# Altium PCB PowerManagment_V2.PcbDoc
Units mil, origin at the board's own origin, x right, y up, seen from the top; angles counter-clockwise.
Board outline 4764.86 x 3503.34 mil, 2 copper layers (Top Layer, Bottom Layer); 71 components, 60 nets, 282 pads, 63 vias.
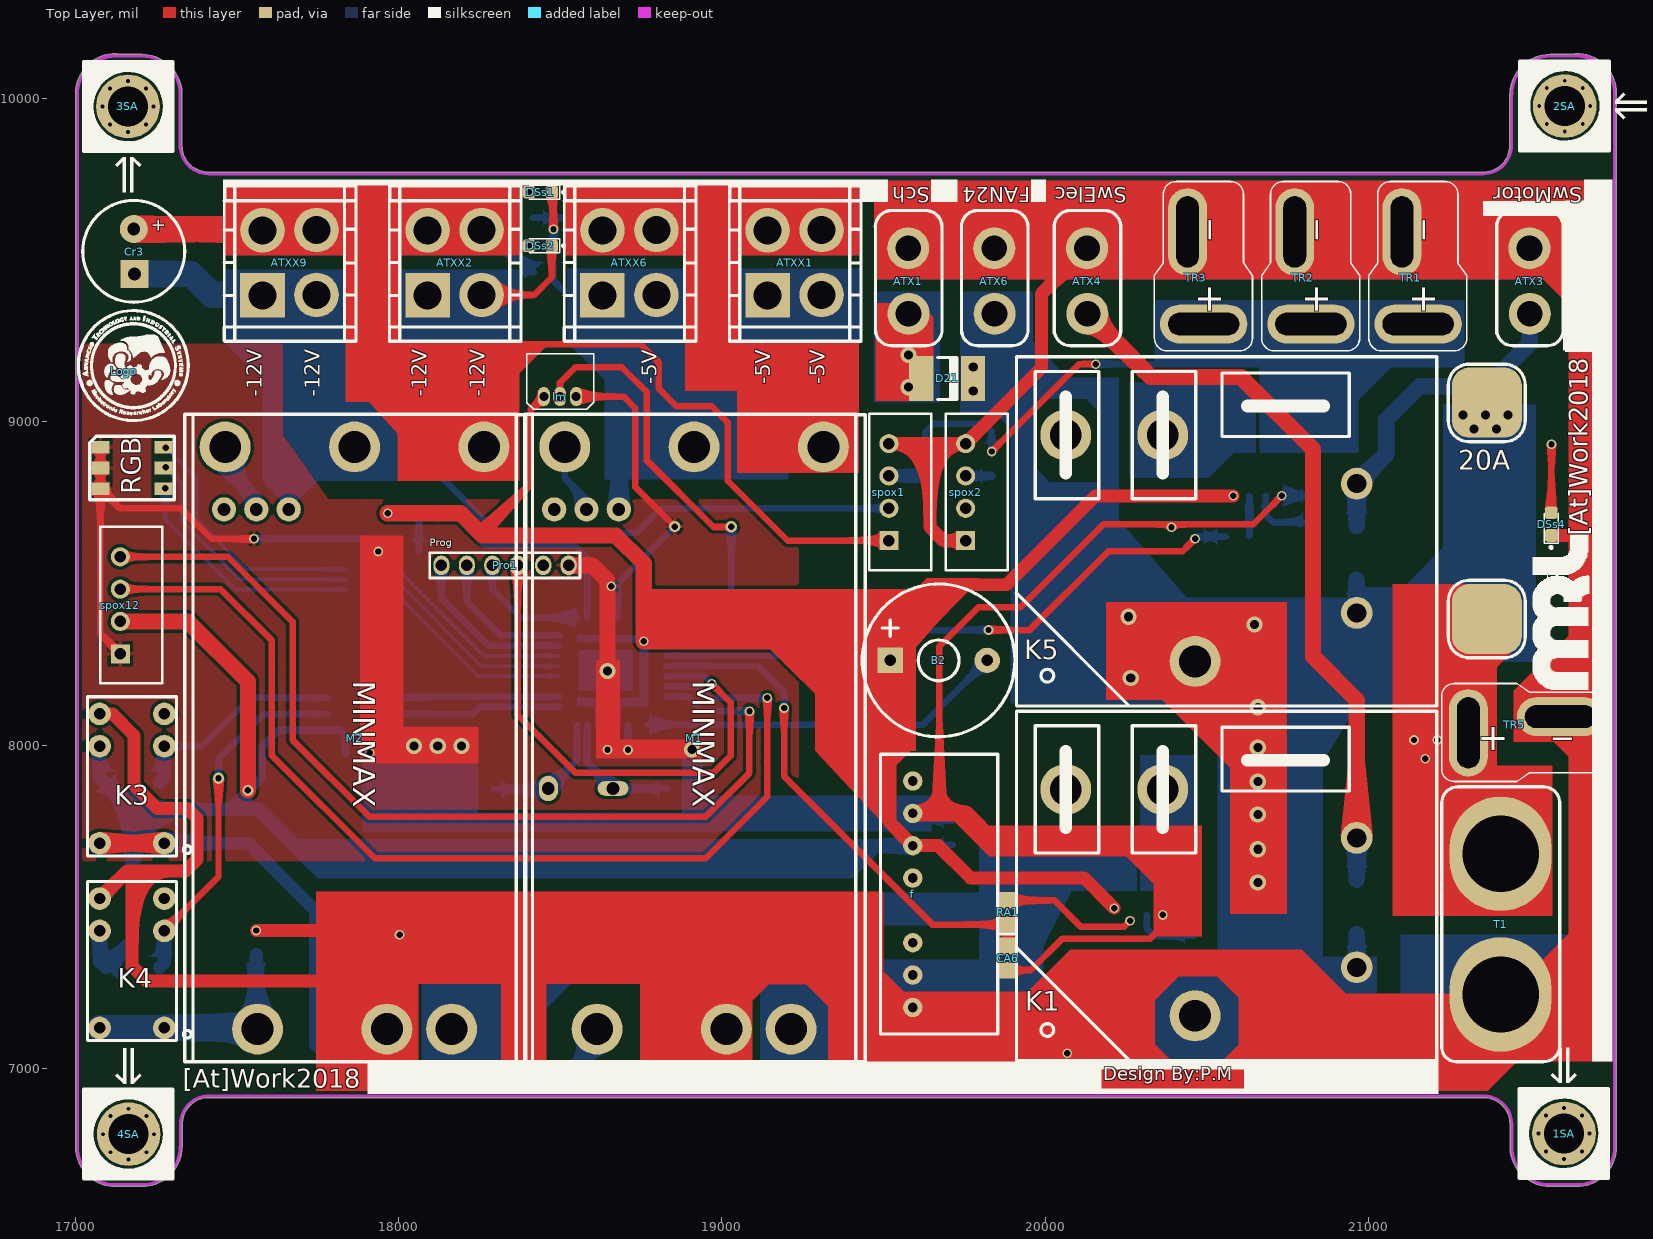
[diagram p0: Top Layer view]
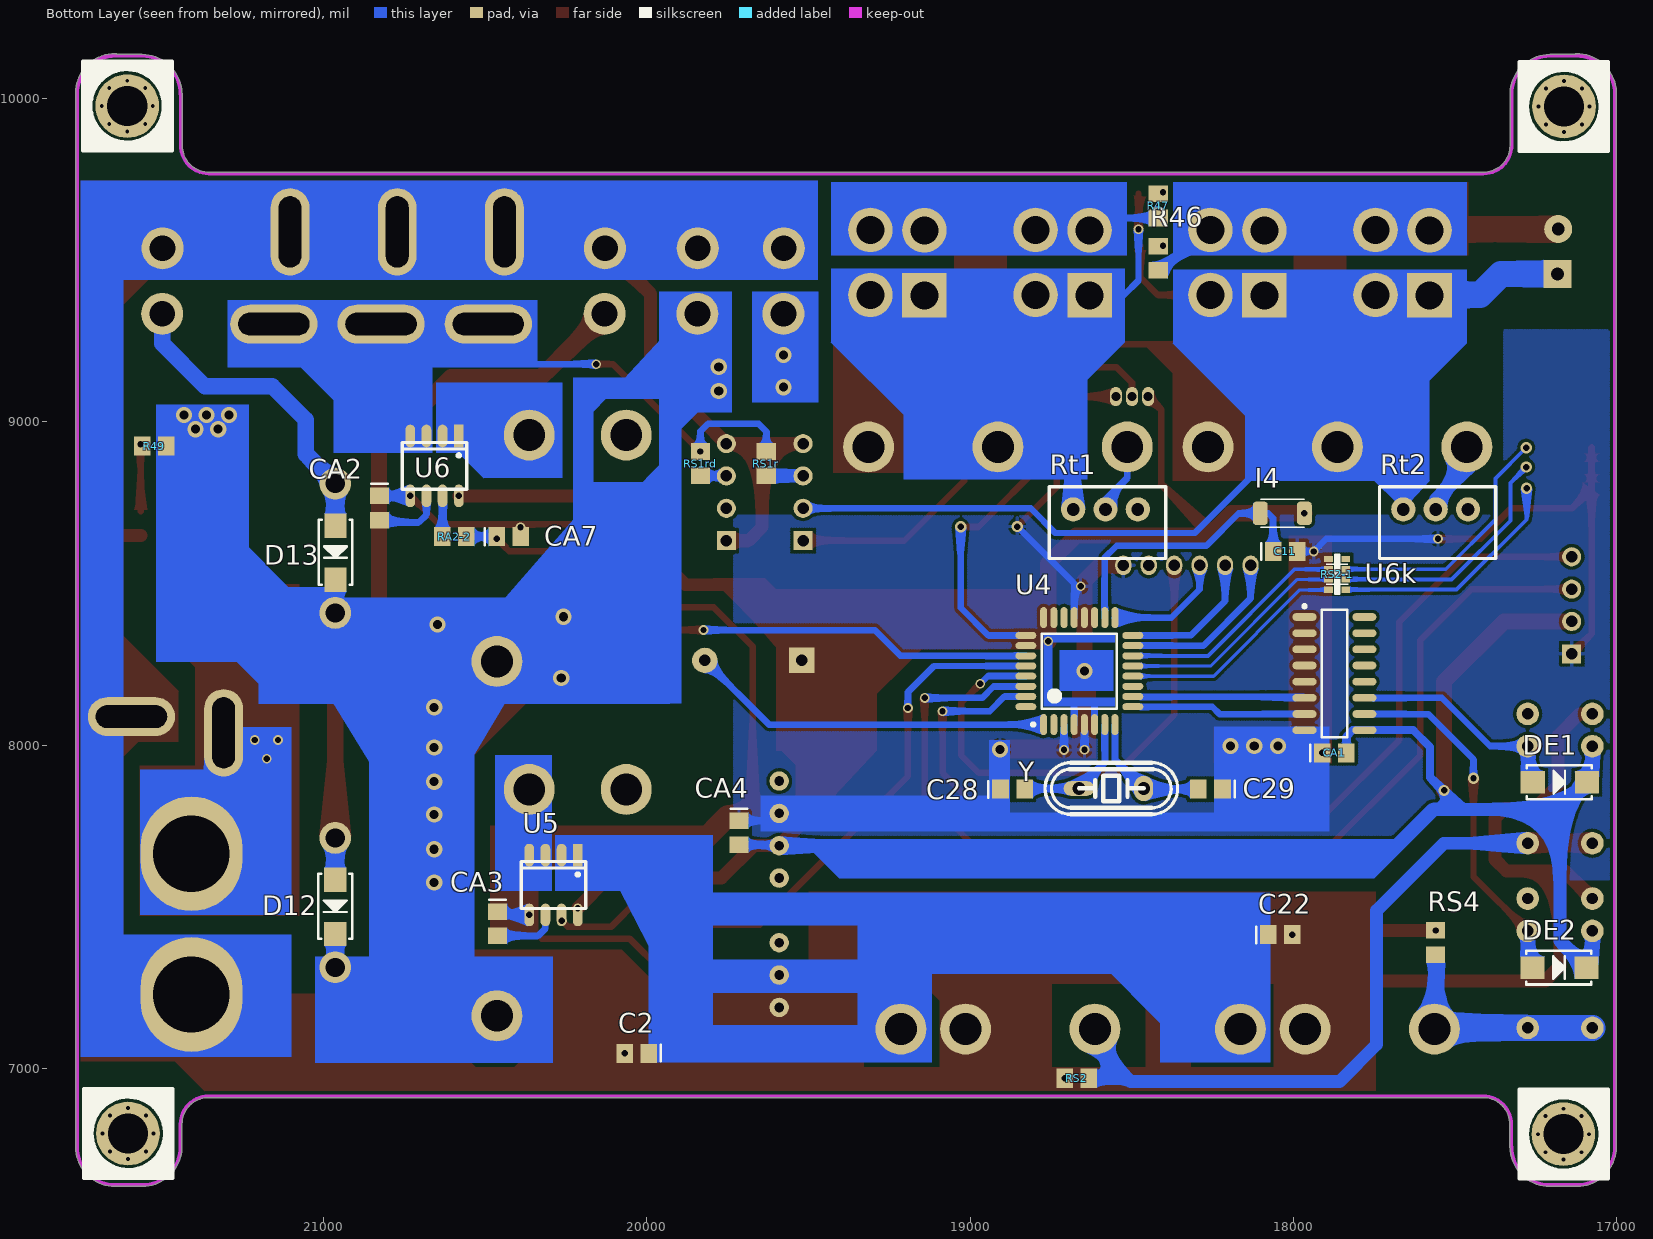
[diagram p1: Bottom Layer view, seen from below]
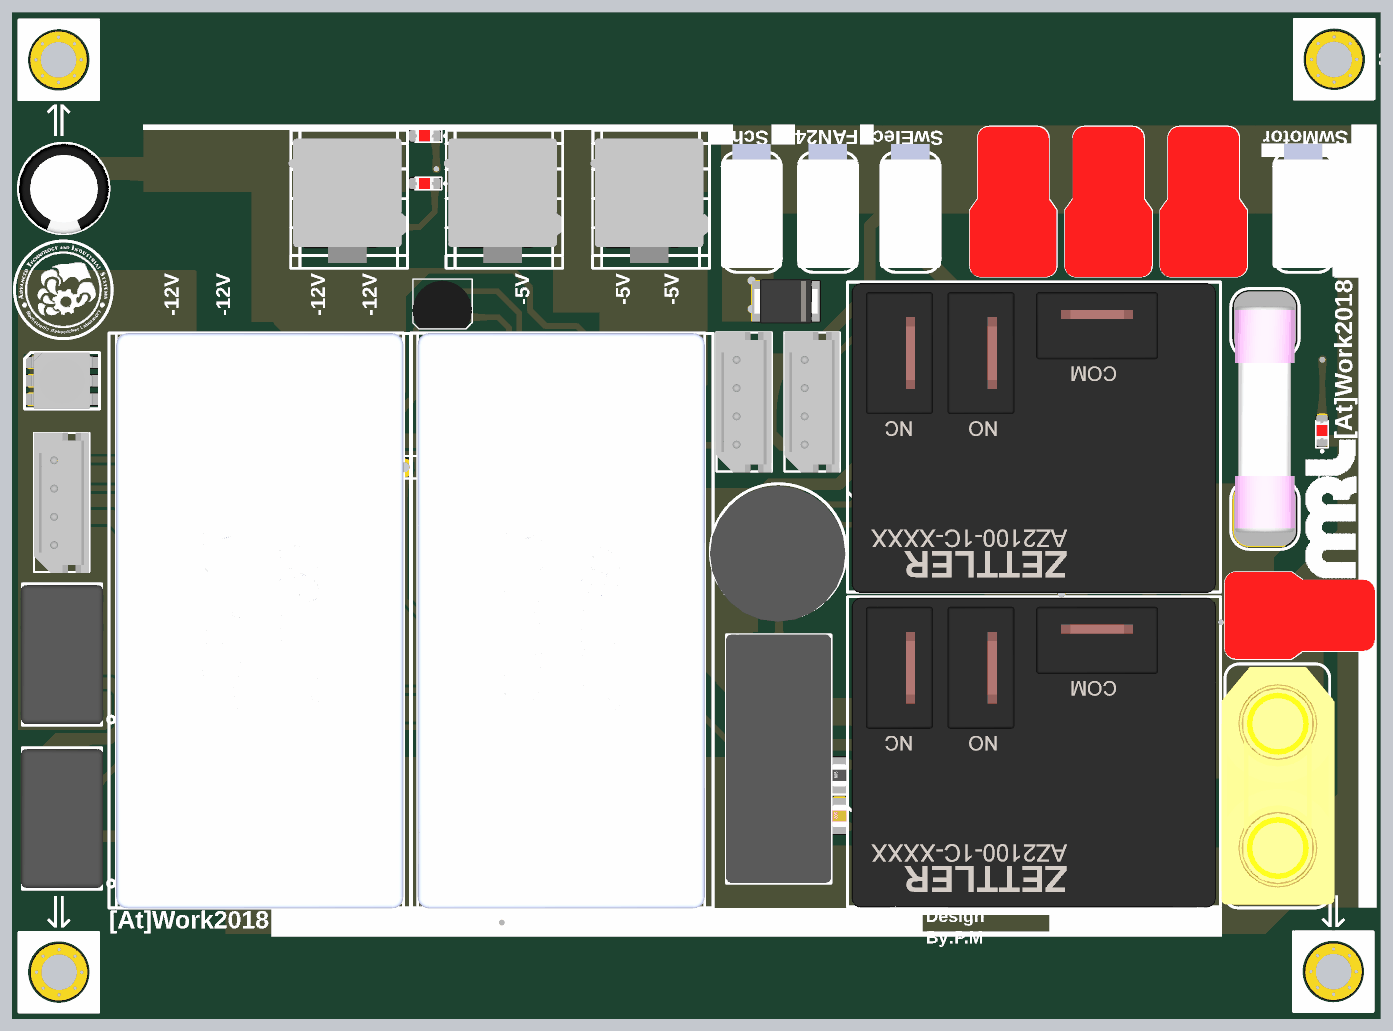
[diagram p2: 3D render of the assembled board from above, using the file's embedded part models]
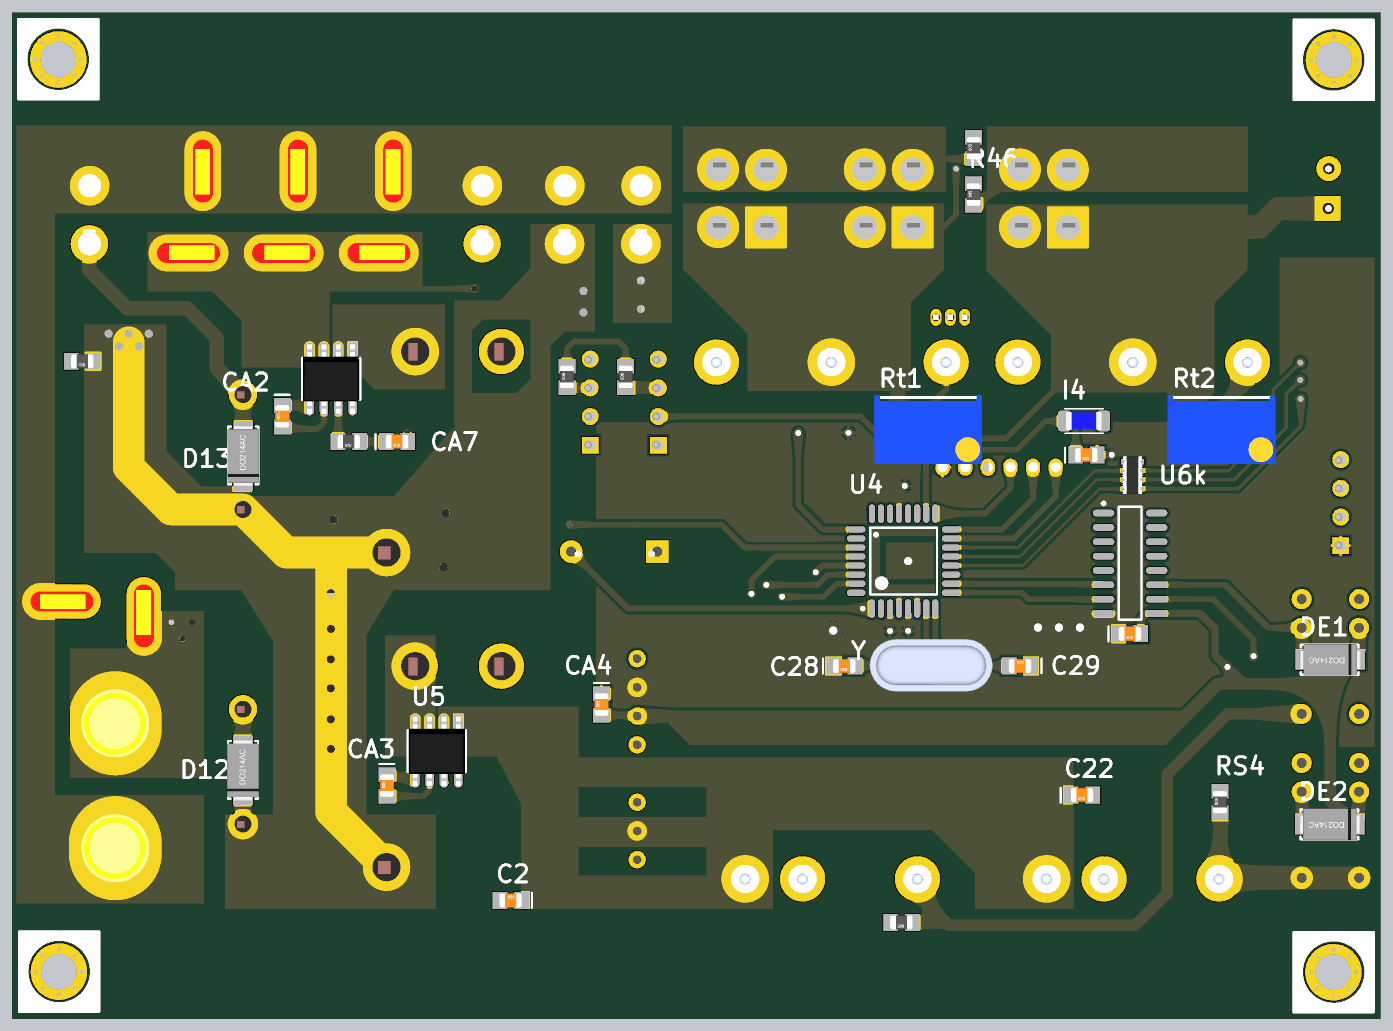
[diagram p3: 3D render of the assembled board from below, using the file's embedded part models]

## Layer stack, top to bottom
Top Solder: solder mask 0.4, Solder Resist, Dk 3.5
Top Layer: signal copper 1.4
Dielectric 1: dielectric 12.6, FR-4, Dk 4.8
Bottom Layer: signal copper 1.4
Bottom Solder: solder mask 0.4, Solder Resist, Dk 3.5

## Board outline
17001.24,6758.33 cw(c17006.25,6758.36) 17001.24,6758.36 17001.24,10011.37 cw(c17006.09,10012.64) 17001.07,10012.64 cw(c17124.2,10012.64) 17001.37,10021.24 cw(c17124.36,10015.45) 17124.36,10138.57 cw(c17124.36,10133.56) 17128.86,10135.76 17206.84,10135.76 cw(c17206.84,10012.64) 17329.92,10015.96 cw(c17324.95,10015.29) 17329.96,10015.29 17329.96,9854 ccw(c17411.95,9854) 17411.95,9772.01 21354,9772.01 ccw(c21354,9854) 21435.99,9854 21435.99,10012.65 cw(c21441,10012.65) 21436.92,10015.57 cw(c21560,10012.65) 21560,10135.76 21638.3,10135.76 cw(c21642.8,10133.56) 21642.8,10138.57 cw(c21642.8,10015.45) 21765.93,10015.45 cw(c21760.91,10015.45) 21765.76,10014.14 cw(c21642.64,10012.64) 21765.76,10013.94 cw(c21760.91,10012.64) 21765.93,10012.64 21765.93,6758.36 cw(c21760.91,6758.36) 21765.93,6758.33 ccw(c21642.8,6758.36) 21765.93,6758.36 21765.93,6758.33 cw(c21642.8,6758.36) 21642.8,6635.23 21560.16,6635.23 cw(c21560.16,6758.36) 21437.08,6755.04 cw(c21442.05,6755.71) 21437.04,6755.71 21437.04,6828 ccw(c21355.05,6828) 21355.05,6909.98 17413,6909.98 ccw(c17413,6828) 17331.01,6828 17331.01,6758.35 cw(c17326,6758.35) 17330.08,6755.43 cw(c17207,6758.35) 17207,6635.23 17124.36,6635.23 cw(c17124.36,6758.36)

## Design rules (kind name [scope] priority, off if disabled: settings)
Clearance [All] p1: gap=10
PolygonConnect [All] p1: connectstyle=Relief reliefconductorwidth=10 reliefentries=4 polygonreliefangle="90 Angle" airgapwidth=10
RoomDefinition PowerManagment_V2 [InComponentClass('PowerManagment_V2')] p1: confinementstyle=ConfineIn formatcopy=TRUE lockcomponents=FALSE outline 0,0 2000,0 2000,1000 0,1000
RoutingVias [All] p1: holewidth=28 width=50 viastyle="Through Hole" minholewidth=28 minwidth=50 maxholewidth=28 maxwidth=50
SolderMaskExpansion [All] p1: expansion=4
Width [All] p1: maxlimit=200 minlimit=10 preferedwidth=10
30 further rules are at their usual default settings.

## Components (designator, comment, footprint, x,y, rotation, side; value= is the part's Value field where it differs from the comment)
1SA "Screw" Screw 21603,6803 r180 top
2SA "Screw" Screw 21610,9977 r90 top
3SA "Screw" Screw 17164,9971 r0 top
4SA "Screw" Screw 17164,6801 r180 top
20A "fuse3" "fuse 5*20" 21365,8390 r90 top
ATX1 "FanSocket" ATX_1.2S 19586,9325 r90 top
ATX3 "MotorStopButton" ATX_1.2S 21507,9325 r90 top
ATX4 "Electronic Button" ATX_1.2S 20139,9325 r90 top
ATX6 "Power" ATX_1.2S 19852,9325 r90 top
ATXX1 "ATX2*2R" ATX2*2S 18330,9651.18 r0 top
ATXX2 "ATX2*2R" ATX2*2S 17278.67,9651.18 r0 top
ATXX6 "ATX2*2R" ATX2*2S 17819.33,9651.18 r0 top
ATXX9 "ATX2*2R" ATX2*2S 16768,9651.18 r0 top
B2 "Buzzer" Buzzer 19670,8264 r0 top
C2 "100nF" Cap0805 20068,7047 r180 bottom
C11 "100nf" Cap0805 17988,8599 r0 bottom
C22 "100nF" Cap0805 18003,7414 r0 bottom
C28 "22pf" Cap0805 18831,7864 r0 bottom
C29 "22pf" Cap0805 18294,7864 r180 bottom
CA1 "100nf" Cap0805 17836,7976 r0 bottom
CA2 "1nf" Cap0805 20826,8696 r90 bottom
CA3 "1nf" Cap0805 20461,7410 r90 bottom
CA4 "100nf" Cap0805 19714,7692 r90 bottom
CA6 "100nf" Cap0805 19883,7304 r90 top
CA7 "100nf" Cap0805 20389,8645 r0 bottom
Cr3 "4.7Uf" Cap_4mm 17181,9595 r270 top
D12 "SS34" Diod-1A-SMD 20964,7586 r270 bottom
D13 "SS34" Diod-1A-SMD 20963,8681 r270 bottom
D21 "SS34" Diod-3A-SMD 19616,9134 r0 top
DE1 "SS34" Diod-1A-SMD 17262,7884 r180 bottom
DE2 "SS34" Diod-1A-SMD 17263,7311 r180 bottom
DSs1 "LED1" Led0805 18472,9710 r180 top
DSs2 "LED1" Led0805 18472,9544 r180 top
DSs4 "LED1" Led0805 21564,8650 r90 top
f "MINMAXMEW" MINMAXMEW 19616,7084 r90 top
I4 "Indicator100uH" 1206 18101,8717 r180 bottom
K1 "Relay_7" Relay_7 20463,7163 r90 top
K3 "Relay" RelayMinionSmall 17275,7699 r90 top
K4 "Relay" RelayMinionSmall 17275,7128 r90 top
K5 "Relay_7" Relay_7 20463,8258.8 r90 top
lm "Lm35" UGN3503 18449,9078 r0 top
Logo "@WorkLogo" @WorkATISLogo 17150,9156 r0 top
M1 "5V+" MK50 18513,8924 r270 top
M2 "12V+" MK50 17463,8924 r270 top
Pro1 "Programmer" Programmer 18135,8557 r0 top
R46 "Res 0805" R0805 18418,9470 r90 bottom
R47 "Res 0805" R0805 18418,9632 r90 bottom
R49 "Res 0805" R0805 21487,8925 r0 bottom
RA1 "1K" R0805 19883,7447 r90 top
RA2-2 "1K" R0805 20559,8645 r0 bottom
RGB "RGBSMD" LEDRGBSMD 17080,8780 r0 top
RS1r "1.5K" R0805 19630,8835 r90 bottom
RS1rd "1.5K" R0805 19834,8835 r90 bottom
RS2 "12K" R0805 18634,6970 r0 bottom
RS2-1 "Res0603 Array" "Res 0603 Array" 17840,8480 r0 bottom
RS4 "12K" R0805 17560,7354 r90 bottom
Rt1 "1Mohm" Multi_tern 18682,8731 r270 bottom
Rt2 "1Mohm" Multi_tern 17661,8731 r270 bottom
spox1 "SPOX1*4" SPOX_1*4RIGHT 19530,8641 r90 top
spox2 "SPOX1*4" SPOX_1*4RIGHT 19767,8641 r90 top
spox12 "SPOX1*4" SPOX_1*4RIGHT 17153,8291 r90 top
T1 "Connector T" SocketS06 21406.7,7660 r270 top
TR1 "Connector T" T_Connector 21151,9303 r90 top
TR2 "Connector T" T_Connector 20819.5,9303 r90 top
TR3 "Connector T" T_Connector 20488,9303 r90 top
TR5 "Connector T" T_Connector 21309,8040 r0 top
U4 "ATmega8-16AU" 32A_N 18662,8229 r90 bottom
U5 "ACS712" SOP8 20213,7660 r270 bottom
U6 "ACS712" SOP8 20581,8956 r270 bottom
U6k "ULN2003" SO16 17968,8049.22 r180 bottom
Y "14.7456" CrystallB 18462,7867 r0 bottom

## Footprints (in the part's own frame and the unit in brackets; to place one, negate y for a bottom-side part, rotate by r counter-clockwise, add the part's x,y. Pads: shape width x height; smd on the part's side, far side on the other; paste and mask are expansions set on the pad)
32A_N [mm] "Thin QFP, 32-Leads, Body 7x7mm, Pitch 0.8mm, IPC Medium Density"
  oval 1.65x0.55 smd: 1(-4.2,2.8) 2(-4.2,2) 3(-4.2,1.2) 4(-4.2,0.4) 5(-4.2,-0.4) 6(-4.2,-1.2) 7(-4.2,-2) 8(-4.2,-2.8) 17(4.2,-2.8) 18(4.2,-2) 19(4.2,-1.2) 20(4.2,-0.4) 21(4.2,0.4) 22(4.2,1.2) 23(4.2,2) 24(4.2,2.8)
  oval 0.55x1.65 smd: 9(-2.8,-4.2) 10(-2,-4.2) 11(-1.2,-4.2) 12(-0.4,-4.2) 13(0.4,-4.2) 14(1.2,-4.2) 15(2,-4.2) 16(2.8,-4.2) 25(2.8,4.2) 26(2,4.2) 27(1.2,4.2) 28(0.4,4.2) 29(-0.4,4.2) 30(-1.2,4.2) 31(-2,4.2) 32(-2.8,4.2)
  silkscreen extent -4.32,-2.95 2.95,3.75, body extent -3.5,-3.5 3.5,3.5, height 1.2
1206 [mm]
  rrect43% 1.16x1.82 smd: 1(-0.029,0) 2(3.429,0)
  silkscreen extent 0,-1.09 3.4,1.09, body extent 0.1,-0.8 3.3,0.8, height 1.4
@WorkATISLogo [mil]
  silkscreen extent -140,-152 200,188
ATX2*2S [mm]
  rect 3.5x3.5 hole 2.2: 1(20.601,-6.604)
  round 3.5 hole 2.2: 2(20.601,-1.499) 3(24.843,-6.579) 4(24.843,-1.473)
  silkscreen extent 17.6,-10.21 27.94,1.99, body extent 17.41,-9.74 27.81,1.26, height 12.8
ATX_1.2S [mil]
  round 129.92 hole 80: 1(211.55,10.06) 2(9,9)
  silkscreen extent -90,-95 328,112, body extent -76,-97 358,116, height 516
Buzzer [mm]
  rect 2x2 hole 0.9: 1(-3.81,-0.051)
  round 2 hole 0.9: 2(3.81,-0.051)
  silkscreen extent -6,-6.05 6,5.95, body extent -6.05,-6.25 5.95,5.75, height 8.6
Cap0805 [mm]
  rect 1.3x1.5 smd: 1(0,0) 2(1.9,0)
  silkscreen extent 2.84,-0.64 2.84,0.67, body extent -0.05,-0.62 1.95,0.63, height 0.78
Cap_4mm [mm]
  rect 2.2x2.2 hole 1: 1(3.502,0.05)
  round 2.2 hole 1: 2(-0.023,0)
  silkscreen extent -2.27,-4 5.73,4, body extent -2.25,-3.98 5.73,4.02, height 11.01
CrystallB [mil]
  oval 95.55x45 hole 39.37: 1(201,1)
  oval 59.06x78.74 hole 39.37: 2(1,1)
  silkscreen extent -104,-79 306,81, body extent -111,-91 319,93, height 138
Diod-1A-SMD [mm]
  rect 1.9x1.75 smd: A(0.059,0.025) K(4.309,0.025)
  silkscreen extent -0.42,-1.3 4.68,1.35, body extent -0.56,-1.37 4.93,1.42, height 2.24
Diod-3A-SMD [mil]
  rect 74.8x140 smd: A(0.34,0) K(160.66,0)
  silkscreen extent 51,-65 111,65, body extent -29,-78 191,78, height 43
"fuse 5*20" [mm] "Glass 5*20"
  rrect50% 5.5x5.5 smd: 1(0,0) 2(17,0)
  silkscreen extent -3.05,-3.02 20.02,3.02, body extent -1.55,-2.63 18.45,2.67, height 5.65
Led0805 [mm]
  rrect49% 1x1 smd: A(1.744,0) k(-0.042,0)
  silkscreen extent -1.08,-0.55 1.71,0.55, body extent 0.06,-0.5 1.66,0.5, height 0.8
LEDRGBSMD [mil]
  rect 55.12x39.37 smd: 1(-2,141) 2(-2,77) 3(-2,13) 4(193,13) 5(193,77) 6(193,141)
  silkscreen extent -35,-21 226,175, body extent -13,-21 203,175, height 63
MINMAXMEW [mil]
  round 60 hole 30: 1(105,26) 2(205,26) 3(305,26) 5(505,26) 6(605,26) 7(705,26) 8(805,26)
  silkscreen extent 23,-237 888,126, body extent 24,-238 890,128, height 441
MK50 [mm]
  round 4 hole 2.5: 1(45.771,17.799) 2(45.771,12.719) 3(45.771,2.559) 4(0.051,20.339) 5(0.051,10.179) 6(0.051,0.019)
  silkscreen extent -2.51,-3.15 48.34,23.62, body extent -2.54,-2.54 48.41,22.91, height 11.43
Multi_tern [mil]
  round 75 hole 39.37: 1(2,1) 2(2,101) 3(2,201)
  silkscreen extent -68,-73 154,287, body extent -76,-82 164,293, height 455
Programmer [mil]
  oval 50x60 hole 35: 1(-2.7,-1) 2(76.04,-1) 3(154.78,-1) 4(233.52,-1) 5(312.26,-1) 6(391,-1)
  silkscreen extent -39,-40 426,38
R0805 [mm]
  rect 1.3x1.5 smd: 1(-0.046,0) 2(1.854,0)
  body extent -0.1,-0.62 1.9,0.63, height 0.78
Relay_7 [mm]
  round 4 hole 2.5: 1(0,0) 4(17.78,2.54) 5(17.78,10.16)
  round 2.5 hole 1.5: 2(3.81,-12.7) 3(13.97,-12.7)
  silkscreen extent -3.5,-18.97 23.93,14.05, body extent -3.58,-18.59 23.85,13.67, height 27.94
RelayMinionSmall [mil]
  round 70 hole 35: 1(297.66,199.65) 2(397.66,199.65) 3(397.66,-0.35) 4(297.66,-0.35) 5(-2.34,199.65) 5(-2.34,-0.35)
  silkscreen extent -42,-83 450,237, body extent -37,-44 447,244, height 399
"Res 0603 Array" [mm]
  rect 0.7x0.5 smd: 1(-0.051,-0.025) 2(-0.051,-0.825) 3(-0.051,-1.625) 4(-0.051,-2.425) 5(1.295,-2.425) 6(1.295,-1.625) 7(1.295,-0.825) 8(1.295,-0.025)
  silkscreen extent -0.23,-2.87 1.49,0.33, body extent -0.25,-2.89 1.5,0.46, height 0.6
Screw [mm]
  round 0.6 hole 0.3: S(-2.025,0.102) S(-1.44,1.516) S(-1.44,-1.313) S(-0.025,2.102) S(-0.025,-1.898) S(1.389,1.516) S(1.389,-1.313) S(1.975,0.102)
  round 5 hole 3.15 mask+0.1: S(-0.025,0.102)
  silkscreen extent -3.52,-6.65 3.53,3.62
SO16 [mm]
  oval 1.9x0.6 smd: 1(0.063,8.814) 2(0.063,7.544) 3(0.063,6.274) 4(0.063,5.004) 5(0.063,3.734) 6(0.063,2.464) 7(0.063,1.194) 8(0.063,-0.076) 9(4.763,-0.076) 10(4.763,1.194) 11(4.763,2.464) 12(4.763,3.734) 13(4.763,5.004) 14(4.763,6.274) 15(4.763,7.544) 16(4.763,8.814)
  silkscreen extent -0.06,-0.63 3.41,9.79, body extent 0.46,-0.58 4.36,9.32, height 1.75
SocketS06 [mm]
  oval 9x8 hole 6: 1(-0.102,0.025) 2(10.947,0.025)
  silkscreen extent -5.36,-4.6 16.23,4.67, body extent -5.06,-4.92 15.94,5.08, height 38.39
SOP8 [mil]
  rect 70x30 smd: 1(0,0)
  oval 70x30 smd: 2(0,-50) 3(0,-100) 4(0,-150) 5(185,-150) 6(185,-100) 7(185,-50) 8(185,0)
  silkscreen extent 20,-175 165,25, body extent -28,-173 214,23, height 79
SPOX_1*4RIGHT [mm]
  rect 1.5x1.5 hole 0.9: 1(-0.217,0.346)
  round 1.5 hole 0.9: 2(2.323,0.346) 3(4.863,0.346) 4(7.403,0.346)
  silkscreen extent -2.53,-2.97 9.76,1.91, body extent -2.61,-2.97 9.79,1.93, height 5.95
T_Connector [mil]
  oval 120x270 hole 70 slot 220 at 90 deg: 1(-0.78,-1.74)
  oval 270x120 hole 70 slot 220 at 0 deg: 2(284.22,48.26)
  silkscreen extent -84,-152 440,151, body extent -85,-152 439,152, height 413
UGN3503 [mm]
  oval 0.95x1.5 hole 0.7: 1(0,0) 2(1.27,0) 3(2.54,0)
  silkscreen extent -1.32,-1.02 3.94,3.38, body extent -1.34,-0.95 3.91,3.24, height 5.6

## Part data
ATX1 ATX3 ATX4 ATX6: library part ATX_1.2R
C2 C11 C22 C28 C29 CA1 CA2 CA3 CA4 CA6 CA7: library part Cap0805, "surface mount capacitor (size 805)"
Cr3: library part Cap_Pola
D12 D13 D21 DE1 DE2: library part Diode
K3 K4: library part RelayMilon
M1 M2: library part MK50_DCTODC
RA1 RA2-2 RS1r RS1rd RS2 RS4: library part "Res 0805"
Rt1 Rt2: library part POT1
U4: "8-bit AVR Microcontroller, 4.5-5.5V, 16MHz, 8KB Flash, 512 Bytes EEPROM, 1KB SRAM, 32-pin TQFP, Industrial Grade (-40°C to 85°C)"
U5 U6: "Hall effect Current Sensor"
Y: library part "Xtal 1"

## Via types
v1: diameter 30, hole 19.68, Top Layer to Bottom Layer, tented both sides, 33 vias
v2: diameter 50, hole 28, Top Layer to Bottom Layer, tented both sides, 23 vias
v3: diameter 35, hole 20, Top Layer to Bottom Layer, tented both sides, 7 vias

## Nets (pads, with @x,y where several pads share a name; then routed paths per layer and width w, separated by ;. In a path a pad name is that pad's centre, name@x,y a point inside that pad or via, vN(x,y) a via of type N, cw(c..) or ccw(c..) an arc to the next point about the centre after c; other vN are vias at no path point)
+5VDD: ATXX1.2 ATXX1.4 ATXX6.2 ATXX6.4 M1.4 R47.1 | length 130.6
  Bottom Layer w20: R47.1@18415,9630.2 18540.2,9630.2 18544,9634
+5VMM: B2.1 CA1.1 CA4.1 DE1.K DE2.K f.6 I4.2 K3.1 K4.1 lm.1 spox12.2 U4.4 U4.6 U5.8 U6.8 U6k.9 | length 9952.7
  Top Layer w20: 18249,8649 18408,8808 18408,9037 lm.1
  Top Layer w40: v1(20213,7496) 20120,7589 19769,7589 19669,7689 f.6 19520,7759 B2.1 19754,8496 19880,8496 20155,8771 v1(20581,8771)
  Top Layer w50: spox12.2 17348.54,8382.46 17534,8197 v3(17534,7860) ; v1(17966,8717) 18192,8717 18261,8648 18672,8648 18758,8562 v1(18758,8321) 19461,8321 B2.1
  Bottom Layer w20: U4.6 18614.76,8130.24 ; U4.4 18677.75,8133.75 18678,8134 ; f.6@19593,7692 CA4.1
  Bottom Layer w25: 17478,7801.34 17577,7900.34 17577,7994 17629.22,8046.22 U6k.9 17816.78,8046.22 17836,8027 CA1.1
  Bottom Layer w40: K3.1@17074.35,7994.66 17074.35,7902.98 DE1.K 17176,7801.34 ; K4.1 17075.35,7329.98 DE2.K 17176,7394.66 17176,7801.34 ; f.6 17682,7689 17569.66,7801.34 17478,7801.34 17176,7801.34
+12VD: ATXX2.2 ATXX2.4 ATXX9.2 ATXX9.4 Cr3.2 M2.4 R46.1 spox1.1 | length 2402.8
  Top Layer w20: ATXX9.4@17743.35,9595.9 ATXX9.4 ; 18140,8900 18140,8940 ; 18295,9229 18306,9240 18748,9240 18805,9183 18805,9102 18859,9048 18968,9048 19018,8998 19018,8817.72 19203.25,8632.46 spox1.1
  Top Layer w80: Cr3.2 ATXX9.4@17743.35,9595.9
  Bottom Layer w20: ATXX2.4@18295,9566 18306,9566 18409.8,9462.2 R46.1@18418,9462.2
-5VD: ATXX1.1 ATXX1.3 ATXX6.1 ATXX6.3 DSs1.k M1.5 Rt1.1 | length 648
  Top Layer w20: v1(18479,9595) DSs1.k@18479,9704.65
  Bottom Layer w20: v1(18479,9595) 18479,9437 18524.82,9391.18 ATXX6.1 ; Rt1.1 18681,8939
-5VMM: C11.1 C28.2 C29.2 CA1.2 CA2.2 CA3.2 CA4.2 CA6.1 CA7.1 f.7 lm.3 Pro1.6 RGB.1 RGB.2 RGB.3 spox12.1 U4.3 U4.5 U4.21 U5.5 U6.5 U6k.8 | length 7008.3
  Top Layer w20: RGB.1 RGB.2 RGB.3 ; spox12.1 17078,8343.83 RGB.3 ; v1(17553,8638) 17421,8638 17327,8732 17139,8732 RGB.3 ; lm.3 18696,9078 18732,9042 18732,8798 v3(18854,8676) ; v1(18646,7986) v2(18646,8229) ; 19672,7789 19672,8305 19793,8426 19923,8426 20180,8683 20643,8683 v1(20731,8771) ; CA6.1 19955,7304 20053,7402 20324,7402 20363,7441 v1(20363,7475) 20363,7573
  Top Layer w50: Pro1.6 18599,8556 18646,8509 ; v2(18646,8229) v1@18646,8491 ; f.7 19672,7789 19753,7789 19844,7698
  Bottom Layer w20: v1(17553,8638) 17898,8638 v1(17937,8599) C11.1 ; v1(17910.8,7976) 17910.8,8026.8 17930.22,8046.22 U6k.8 18154.78,8046.22 18219.2,7981.8 C29.2 ; v1(18646,7986) U4.5@18646,8063.39 ; v1(18658,8491) 18677.75,8471.25 ; U4.21 18677.75,8471.25 ; v1(18709.24,7985.24) U4.3 ; v3(18854,8676) 18677.75,8499.75 18677.75,8471.25 ; f.7 19612.2,7766.8 CA4.2 ; v1(20363,7475) CA3.2@20451.2,7475 ; v1(20731,8771) 20825.8,8771 CA2.2
  other v1: 20390,8674
  other v2: 18907,7987 18048,7997.39 18121,7997.39 18194,7997.39
-12VD: ATXX2.1 ATXX2.3 ATXX9.1 ATXX9.3 Cr3.1 DSs2.k M2.5 Rt2.1 spox1.2 | length 2602.5
  Top Layer w20: ATXX2.3 18419.18,9392.18 18473.65,9446.65 DSs2.k
  Bottom Layer w20: Rt2.1 17660,8900 ; 18120,8841 18305,8656 18736,8656 18812.46,8732.46 spox1.2
  Bottom Layer w80: Cr3.1 17357.88,9457.12 17422.82,9392.18 ATXX9.3
LEDB: RS2-1.6 U4.14 | length 716.6
  Bottom Layer w12: RS2-1.6 17996.01,8543.99 18263.76,8276.24 U4.14
LEDG: RS2-1.7 U4.13 | length 716.6
  Bottom Layer w10: RS2-1.7 17987.5,8512.5 18255.25,8244.75 U4.13
LEDR: RS2-1.8 U4.12 | length 716.6
  Bottom Layer w10: RS2-1.8 17891.99,8480 17980,8480 18246.75,8213.25 U4.12
LM35: lm.2 U4.25 | length 1408.3
  Top Layer w20: lm.2 18499,9121 18547,9169 18690,9169 18768,9091 18768,8880 18973,8675 v3(19029,8675)
  Bottom Layer w20: U4.25 18943.24,8339.24 19029,8425 v3(19029,8675)
MISO: Pro1.2 U4.16 | length 439.9
  Bottom Layer w20: Pro1.2 18211.04,8445.96 18317.76,8339.24 U4.16
MOSI: Pro1.1 U4.15 | length 527.1
  Bottom Layer w20: Pro1.1 18132.3,8453.7 18278.26,8307.74 U4.15
Net20A_1: 20A.1 T1.1 TR5.1 | length 276.6
  Top Layer w40: T1.1 T1.1@21409,7665.3
  Bottom Layer w110: T1.1@21308.22,7763.48 TR5.1
  other v1: 21175,7958 21140,8016 21212,8016
NetATX1_2: ATX1.2 D21.A | length 210
  Bottom Layer w110: v2@19577,9124 ATX1.2
  other v2: 19577,9107 19577,9206
NetATX3_2: ATX3.2 D13.A K5.3 | length 999.2
  Bottom Layer w50: D13.A 20963,8679.66 K5.3 21054,8899.8 21054,9006 21158,9110 21366,9110 21498,9242 ATX3.2
NetATX4_2: ATX4.2 D12.A K1.3 | length 2258.8
  Top Layer w50: ATX4.2 20326,9138 20605,9138 20828,8915 20828,8274 20963,8139 K1.3
  Bottom Layer w50: D12.A K1.3
NetC11_2: C11.2 I4.1 U4.18 | length 872.3
  Bottom Layer w20: C11.2 18062.8,8701.8 18078,8717 I4.1 18169,8717 18269,8617 18546,8617 18583.93,8579.07 18583.93,8395.02 U4.18
NetCA2_1: CA2.1 U6.6 | length 216.4
  Bottom Layer w20: U6.6 20681,8712 20704,8689 20819,8689 CA2.1
NetCA3_1: CA3.1 U5.6 | length 199.5
  Bottom Layer w20: U5.6 20313,7433 20336,7410 CA3.1
NetDSs1_A: DSs1.A R47.2
  other v1: 18403.35,9710
NetDSs2_A: DSs2.A R46.2
  other v1: 18403.35,9544
NetDSs4_A: DSs4.A R49.2 | length 206.7
  Top Layer w20: DSs4.A@21565,8723.65 v1(21565,8930.35)
NetK3_5: K3.5 M1.3 RS2.1 | length 2302
  Top Layer w40: K3.5@17075.35,7696.66 K3.5@17275.35,7696.66
  Bottom Layer w40: K3.5@17275.35,7696.66 17534.34,7696.66 17743,7488 17743,7074 17857,6960 18504,6960 18514,6970 ; M1.3 18613.75,7069.75 18514,6970 ; RS2.1 18514,6970
NetK4_5: K4.5 M2.3 RS4.1 | length 716.5
  Bottom Layer w40: RS4.1 17560,7125.75 17560.09,7125.66 M2.3
  Bottom Layer w80: K4.5@17075.35,7125.66 17275.35,7125.66 M2.3@17560.09,7125.66
NetRA1_2: RA1.2 U5.7 | length 420
  Top Layer w20: RA1.2 20028,7520 20109,7439 20244,7439 v1(20262,7457)
NetRA2-2_2: RA2-2.2 U6.7 | length 125
  Bottom Layer w20: RA2-2.2@20631,8646 U6.7
NetRGB_4: RGB.4 RS2-1.1 | length 745.5
  Bottom Layer w12: v3(17279,8794) 17279,8697 17495,8481 RS2-1.1
NetRGB_5: RGB.5 RS2-1.2 | length 770.5
  Bottom Layer w12: v3(17280,8860) 17329,8811 17329,8694 17510.5,8512.5 RS2-1.2
NetRGB_6: RGB.6 RS2-1.3 | length 788.1
  Bottom Layer w12: v3(17280,8920) 17375,8825 17375,8698 17529.01,8543.99 RS2-1.3
NetRS1r_1: RS1r.1 spox1.3 | length 112.9
  Bottom Layer w40: spox1.3 RS1r.1@19629.27,8832.46
NetRS1rd_1: RS1rd.1 spox2.3 | length 80.9
  Bottom Layer w25: spox2.3 19833.27,8832.46 RS1rd.1
R6B: spox2.2
RST: Pro1.4 U4.29 | length 1614.4
  Top Layer w20: Pro1.4 18368.52,8093.48 18548,7914 18973,7914 19027,7968 19027,8131 v1(18968,8190)
  Bottom Layer w20: U4.29 18944.75,8213.25 v1(18968,8190)
RXD: spox12.3 U4.30 | length 3266.2
  Top Layer w20: spox12.3 17449.54,8482.46 17607,8325 17607,7969 17926,7650 18950,7650 19140,7840 v1(19140,8146)
  Bottom Layer w20: U4.30 18926.75,8181.76 18962.5,8146 v1(19140,8146)
SACS1: CA6.2 RA1.1 U4.28 | length 1608.5
  Top Layer w20: v1@19192,8118 19192,7904 19650.8,7445.2 RA1.1 CA6.2
  Bottom Layer w20: U4.28 19111.25,8244.75 19192,8164 v1(19192,8115)
SACS2: CA7.2 RA2-2.1 U4.27 | length 1878.9
  Top Layer w20: v1(19824,8356) 19951,8356 20195,8600 20425,8600 v1(20463,8638)
  Bottom Layer w20: U4.27 19215.24,8276.24 19295,8356 v1(19824,8356) ; CA7.2 RA2-2.1
SCK: Pro1.3 U4.17 | length 372.2
  Bottom Layer w20: Pro1.3 18289.78,8482.22 18377.65,8394.35 U4.17
SRE1: U6k.2
SRE2: U4.9 U6k.7 | length 540.5
  Bottom Layer w20: U6k.7 18228.22,8096.22 18250.76,8118.76 U4.9
SRE3: U4.10 U6k.6 | length 532.8
  Bottom Layer w20: U6k.6 17968.89,8149.59 18495.98,8149.59 U4.10
SRE4: U6k.4
SREN1: DE1.A K3.4 U6k.11 | length 682.8
  Bottom Layer w20: K3.4 17391.66,7996.66 17541.22,8146.22 U6k.11
  Bottom Layer w40: DE1.A 17274.35,7899.69 K3.4@17274.35,7994.66
SREN2: DE2.A K4.4 U6k.10 | length 1115.1
  Top Layer w20: K4.4 17443,7593.31 v3(17443,7898)
  Bottom Layer w20: v3(17443,7898) 17443,7956 17583.22,8096.22 U6k.10
  Bottom Layer w40: DE2.A 17275.35,7326.69 K4.4
SREN3: U6k.14
SREN4: U6k.13
TR1: M1.6 Rt1.2 | length 220.9
  Bottom Layer w20: M1.6 18513.75,8826.25 18581,8759 Rt1.2
TR2: M2.6 Rt2.2 | length 232.9
  Bottom Layer w40: M2.6 17463.75,8856.25 17560,8760 Rt2.2
TXD: spox12.4 U4.31 | length 3016.2
  Top Layer w20: spox12.4 17471.54,8582.46 17672,8382 17672,8016 17909,7779 18950,7779 19085,7914 v1(19085,8105)
  Bottom Layer w20: U4.31 18893.74,8150.26 18939,8105 v1(19085,8105)
ULS2: B2.2 U4.1 | length 1129.9
  Bottom Layer w20: U4.1 19621.65,8063.65 B2.2
ULS3: U4.2
VINB++: 20A.2 ATX6.2 D12.K D13.K D21.K K1.1 K1.2 K5.1 K5.2 R49.1 | length 206.3
  Bottom Layer w50: D13.K 20962,8409.8 K5.2 ; K1.2 D12.K
  other v2: 20657,7575 20657,7678 20657,7786 20657,7887 20657,7993 20657,8117 20264,8208 20647,8373 20257,8397 21325,8977 21395,8977 21291,9021 21361,9021 21431,9021 19777,9095 19777,9170
VINB-: ATX3.1 ATX4.1 ATX6.1 C2.1 C22.1 DSs4.k f.1 K3.2 K4.2 M1.2 M2.2 RS2.2 RS4.2 spox1.4 spox2.1 spox2.4 T1.2 TR1.2 TR2.2 TR3.2 TR5.2 | length 3732.3
  Top Layer w40: K4.2 17160.69,7611 17341,7611 17377,7647 17377,7773 17346,7804 17254,7804 17182,7876 17182,8030 17115.34,8096.66 K3.2 ; 17176,7611 17176,7316 17221,7271 17777,7271 ; v1(17560,7427) 17846,7427 17863,7444 ; spox1.4 19643,8932.46 ; spox2.1 19684.54,8632.46 19643,8674 19643,8932.46 ; ATX4.1 19988,9395.61 19988,9167.1 spox2.4 19643,8932.46 ; DSs4.k 21659.65,8648.35 21676,8632 ; 21651.35,9000.65 21653,8999
  other v1: 18707,6970 20068,7047 18003,7414
VINBMOTOR+: RS1r.2 RS1rd.2 TR1.1 TR2.1 TR3.1 U6.3 U6.4 | length 1022.8
  Top Layer w20: v1(19834,8908) 20104,9178 v1(20156,9178)
  Bottom Layer w20: RS1r.2 19630,8970 19654,8994 19810,8994 19834,8970 v1(19834,8908) ; v1(20156,9178) 20349,9178 20383,9212
VINBR: K5.4 U6.1 U6.2
VINF: K1.4 U5.3 U5.4
VINF1: 
VINF2: 
VINFX: C2.2 C22.2 f.2 M1.1 M2.1 U5.1 U5.2
XTAL1: C28.1 U4.7 Y.1 | length 399.5
  Bottom Layer w20: U4.7 18583.26,7945.74 Y.1 18829,7866 C28.1
XTAL2: C29.1 U4.8 Y.2 | length 404.2
  Bottom Layer w20: C29.1 18461,7864 Y.2 18551.76,7954.76 U4.8
pads on no net: 1SA.S 2SA.S 3SA.S 4SA.S ATX1.1 f.3 f.5 f.8 K1.5 K3.3 K4.3 K5.5 Pro1.5 RS2-1.4 RS2-1.5 Rt1.3 Rt2.3 U4.11 U4.19 U4.20 U4.22 U4.23 U4.24 U4.26 U4.32 U6k.1 U6k.3 U6k.5 U6k.12 U6k.15 U6k.16

## Polygon pours and split planes (outlines as drawn)
-5VMM on Top Layer "-5VMM_L01_P000" (hatched 45Degree grid 0 track 8, remove dead copper, pour order 0): 17018,9238 17639,9238 17639,8958 17781,8757 19234,8757 19234,7644 19237,7644 17015,7644 17015,7647
-5VMM on Bottom Layer "-5VMM_L02_P006" (hatched 45Degree grid 0 track 8, remove dead copper, pour order 6): 17022,9283 17348,9283 17348,8710 19729,8710 19729,7941 19729,7585 17020,7585

## Keep-outs
Keep-Out Layer:
  lines w10: 17006.09,10012.64 cw(c17124.2,10012.64) 17124.2,10130.75 17206.84,10130.75 cw(c17206.84,10012.64) 17324.95,10012.64 ; 17124.36,10133.56 ccw(c17124.36,10015.45) 17006.25,10015.45 17006.25,6758.36 ccw(c17124.36,6758.36) 17124.36,6640.25 17207,6640.25 ccw(c17207,6758.35) 17325.1,6758.35 ; 17324.95,9846 17324.95,10015.29 ; 17324.95,9854 ccw(c17411.95,9854) 17411.95,9767 21354,9767 ccw(c21354,9854) 21441,9854 21441,10012.65 ; 17326,6758.35 17326,6837 ; 17326,6828 cw(c17413,6828) 17413,6915 21355.05,6915 cw(c21355.05,6828) 21442.05,6828 21442.05,6755.71 ; 21441.9,10012.65 cw(c21560,10012.65) 21560,10130.75 21642.64,10130.75 cw(c21642.64,10012.64) 21760.75,10012.64 ; 21442.05,6758.36 ccw(c21560.16,6758.36) 21560.16,6640.25 21642.8,6640.25 ccw(c21642.8,6758.36) 21760.91,6758.36 21760.91,10012.64 ; 21642.8,10133.56 cw(c21642.8,10015.45) 21760.91,10015.45

## Other copper
Top Layer:
  rectangle net NetATX1_2: 19474,9064 19613,9368
  rectangle net -5VMM: 18610,7959 18940,8018
  rectangle net -5VMM: 18610,7959 18685,8262
  rectangle net VINB-: 17744,7019 18062,7547
  rectangle net VINB-: 17744,7261 19113,7547
  rectangle net VINB-: 18746,6930 19095,7547
  rectangle net VINB-: 19113,7260 19499,7547
  rectangle net VINB-: 19328,6983 19499,7547
  rectangle net VINB-: 19376,6972 20276,7238
  rectangle net VINB-: 20077,6993 20339,7351
  rectangle net VINB-: 20077,7284 20793,7368
  rectangle net VINB-: 20598,6975 20793,7347
  rectangle net VINB-: 20625,7022 21750,7232
  rectangle net VINB-: 21618,7022 21750,9746
  rectangle net VINB-: 19470,9440 21750,9746
  region net +12VD: 18372,9742 17459,9742 17459,9514 18372,9514
  region net +5VDD: 19423.33,9742 18514.33,9742 18514.33,9514 19423.33,9514
  rectangle net +12VD: 17835,9061 18000,9738
  rectangle net +12VD: 17835,9061 18374,9251
  rectangle net +12VD: 17997,8817 18374,9226
  rectangle net +5VDD: 19047,8841 19424,9226
  rectangle net +5VDD: 18885,9095 19424,9251
  rectangle net +5VDD: 18885,9096 19050,9738
  rectangle net VINB-: 17744,6930 21366,7004
  rectangle net VINB-: 20768,6930 21366,7104
  rectangle net VINB-: 17744,6930 18061,7254
  rectangle net VINB-: 18316,6956 18458,7319
  rectangle net -5VMM: 17880,7944 18015,8649
  rectangle net +5VMM: 18758,8321 19600,8483
  rectangle net +5VMM: 19288,7982 19600,8483
  rectangle net -5VMM: 17880,7944 18247,8056
  rectangle net -5VMM: 19824,7656 20484,7752
  rectangle net -5VMM: 20335,7408 20484,7752
  rectangle net VINB-: 21447,8009 21740,8166
  rectangle net Net20A_1: 21073,7472 21396,8499
  rectangle net Net20A_1: 21347,7472 21569,7937
  rectangle net VINB++: 20188,8139 20684,8440
  rectangle net VINB++: 20188,8139 20680,8443
  rectangle net VINB++: 20571,7478 20747,8443
  region net -5VMM: 20352,7555 20250,7657 20250,7710 20262,7698 20330,7698
  region net VINB-: 19174,7290 19072,7188 19019,7188 19031,7200 19031,7268
  region net VINB-: 20434,7307 20332,7205 20279,7205 20291,7217 20291,7285
  region net VINB-: 20628,7189 20526,7291 20526,7344 20538,7332 20606,7332
  region net VINB-: 20319,7093 20421,6991 20421,6938 20409,6950 20341,6950
  region net VINB-: 20499,6975 20601,7077 20654,7077 20642,7065 20642,6997
  region net VINB-: 19356,7165 19254,7267 19254,7320 19266,7308 19334,7308
  region net VINB-: 19469,7330 19571,7228 19571,7175 19559,7187 19491,7187
  region net NetATX1_2: 19654,9202 19654,9323 19623,9354 19577,9308 19577,9173
  region net +5VMM: 19600,8483 19633,8516 19794,8516 19589.43,8311.43 19516.54,8311.43
  region net +5VMM: 19288,7982 19577.5,7673.5 19596.5,7673.5 19596.5,7677.5 19518.5,7755.5 19518.5,8064.5 19505.5,8077.5
  region net +5VMM: 19600,7982 19584,7982 19485,7883 19485,8087
  region net -5VMM: 19827,7656 19694,7789 19764,7789 19765,7790 19849,7706 19867,7706
  region net VINB-: 21447,8166 21627,8346 21724,8346 21724,8126 21693,8095
  region net Net20A_1: 21364.5,8157.5 21364.5,8210.5 21461.5,8307.5 21395.5,8307.5 21324.5,8378.5
  region net VINB-: 21469.94,9510.55 21678,9302.49 21678,9169 21682,9173 21682,9487
  region net VINB-: 20722,7355 20793,7368 20991,7170 20747,7170 20702,7215
  region net VINB-: 21700,7419 21620,7419 21356,7155 21446,7065 21725,7065
  region net VINB-: 21366,6930 21522,7086 21305,7086 21250,7141
  region net VINB++: 20298,8204 20579,7923 20638,7923 20640,7925 20640,8258
  region net VINB-: 21532,8051 21646,7937 21725,7937 21716,7946 21716,8046
  region net +5VMM: 19108,8339 19383,8064 19408,8064 19408,8394 19435,8421
  region net +12VD: 17875,9099 18058,8897 18131,9117
  region net +12VD: 18342,9119 18463,9240 18341,9240 18328,9227
  region net VINB-: 20077,7368 19918,7209 19918,7130 20102,7130 20173,7201
Bottom Layer:
  rectangle net NetATX1_2: 19468,9059 19674,9403
  rectangle net VINB++: 20160,8552 20191,8814
  rectangle net VINB++: 20165,8478 20227,9137
  rectangle net VINB++: 19937,9070 20227,9137
  rectangle net VINB++: 21229,8437 21517,9053
  rectangle net -5VMM: 18884,7733 19648,7844
  rectangle net +5VMM: 18552,8119 18773,8147
  rectangle net +5VMM: 18745,8119 18773,8340
  rectangle net +5VMM: 18551,8317 18773,8340
  rectangle: 18557,8167 18723,8294
  rectangle net -5VMM: 18876,7733 18941,8016
  rectangle net -5VMM: 17888,7733 18941,7792
  rectangle net -5VMM: 18196,7733 18244,7891
  rectangle net VINB++: 19937,8339 20160,8814
  rectangle net VINBMOTOR+: 20337,9168 21296,9376
  rectangle net VINB-: 19470,9439 21747,9746
  rectangle net VINB-: 21617,7036 21751,9746
  rectangle net VINB-: 21098,7036 21751,7415
  rectangle net VINBR: 20260,8903 20651,9122
  rectangle net VINBMOTOR+: 20662,8903 20968,9315
  rectangle net VINBR: 20260,8826 20504,9122
  rectangle net VINF: 20292,7549 20469,7970
  rectangle net VINFX: 19795,7549 20283,7722
  rectangle net VINFX: 19795,7024 19994,7722
  rectangle net VINFX: 18071,7018 18413,7545
  rectangle net VINFX: 18071,7292 19348,7545
  rectangle net VINFX: 19117,7018 19348,7545
  rectangle net VINFX: 19134,7018 19994,7134
  rectangle net VINFX: 19324,7234 19913,7337
  rectangle net VINFX: 19274,7442 19863,7545
  rectangle net VINB++: 19927,8128 21200,8456
  rectangle net VINB++: 21304,8388 21517,8766
  rectangle net VINB++: 20533,7075 20858,8326
  rectangle net VINB++: 20290,7017 21025,7346
  rectangle net +12VD: 17463,9514 18372,9742
  rectangle net +5VDD: 18514.33,9514 19430,9742
  region net -12VD: 18372.79,9470.36 17463.79,9470.36 17463.79,9242.36 18372.79,9242.36
  rectangle net -12VD: 17579.06,8817 18149,9391.18
  rectangle net -5VD: 18636.31,8821 19206.25,9395.18
  region net -5VD: 19430.04,9474.36 18521.04,9474.36 18521.04,9246.36 19430.04,9246.36
  rectangle net VINB++: 19892,8129 19962,9403
  rectangle net VINB++: 19736,9029 19927,9403
  rectangle net -5VMM: 17888,7733 18246,8057
  rectangle net +5VMM: 17750,7588 19405,7698
  rectangle net VINB++: 20941,8257 21517,8489
  rectangle net Net20A_1: 21098,7474 21566,7925
  rectangle net Net20A_1: 21098,7925 21310,8056
  region net VINB++: 20110,9090 19915,9300 19953.62,9106.91
  region net VINB++: 20101.5,9095.5 20188.5,9008.5 20188.5,9093.5
  region net VINB++: 19822,9049 19925,8946 19935,8946 19940,8951 19940,9097
  region net +5VMM: 17750,7588 17549,7789 17549,7814 17634,7729 17655,7729 17683,7701 17774,7701 17798,7677
  region net +5VMM: 19405,7588 19510,7693 19560,7693 19552,7701 19327,7701
  region net VINB++: 21057,8438 21303,8684 21358,8684 21341,8667 21341,8444
  region net VINB++: 21327.5,8318.5 21146.5,8137.5 21134.5,8137.5 21049.5,8222.5 21049.5,8392.5
  region net -12VD: 17463.79,9242.36 17624,9082.15 17624,9018 17700,9094 17700,9334
  region net -12VD: 18372.79,9242.36 18079.43,8949 18024,8949 18027,8952 18027,9366
  region net -5VD: 18521.04,9246.36 18682,9085.41 18682,9075 18723,9116 18723,9336
  region net -5VD: 19430.04,9246.36 19186.68,9003 19047,9003 19047,9388 19050,9391
  region net VINB++: 19934,8892 20070,8756 20003,8756 19949,8702
  region net VINBR: 20504,8826 20584,8906 20510,8906 20429,8987
  region net VINBMOTOR+: 21095,9194 20911,9010 20894,9010 20894,9249 20902,9257
  region net VINB++: 20151,8784 20066,8386 20497,8386
  region net VINB++: 20387,8214 20604,8214 20604,7852
  region net VINB++: 21013,8200 20792,8200 20792,7841
  region net VINFX: 20118,7622 19962,7622 19962,7320
  region net -12VD: 17579.06,8817 17660,8817 17660,8729
  region net -12VD: 17660,8729 17771,8840 17771,8997 17765,8991 17656,8991
  region net VINFX: 18300.5,7104.5 18375.5,7104.5 18628.5,7357.5 18369.5,7357.5 18343.5,7383.5

## Silkscreen, mask and mechanical layers (free items; w line width, h text height)
Top Overlay:
  drawing of 265 lines, arcs and shapes, not listed
  text "FAN24" at 19954,9740.96 h80 r180
  text "Sch" at 19642,9740 h80 r180
  text "SwElec" at 20251,9740 h80 r180
  text "SwMotor" at 21661,9740 h80 r180
  text "-5V" at 18814,9116 h80 r90
  text "-5V" at 19164,9116 h80 r90
  text "-5V" at 19334,9116 h80 r90
  text "-12V" at 17592,9077 h80 r90
  text "-12V" at 17772,9077 h80 r90
  text "-12V" at 18102,9077 h80 r90
  text "-12V" at 18282,9077 h80 r90
  text "[At]Work2018" at 21698,8647 h98.43 r90
  text "Design By:P.M" at 20179,6950 h70
  text "[At]Work2018" at 17333,6921 h98.43
Bottom Solder:
  lines w110: 20463,7163 20656,7356 20656,8245 ; 20463,8258.8 20813,8258.8 20963,8408.8 21213.8,8408.8 21348,8543 21361,8556 21361,8991

## Text inside footprints (layer, text, board x,y; h text height)
Cr3: Top Overlay "+" at 17275,9585 h39.37 r90
M1: Top Overlay "MINMAX" at 18887,8199 h118.11 r270
M2: Top Overlay "MINMAX" at 17837,8199 h118.11 r270
Pro1: Top Overlay "Prog" at 18096,8608 h39.37
TR1: Top Overlay "+" at 21234,9427 h142.52 r90; Top Overlay "_" at 21177,9622 h142.52 r90
TR2: Top Overlay "+" at 20902.5,9427 h142.52 r90; Top Overlay "_" at 20845.5,9622 h142.52 r90
TR3: Top Overlay "+" at 20571,9427 h142.52 r90; Top Overlay "_" at 20514,9622 h142.52 r90
TR5: Top Overlay "+" at 21433,7957 h142.52; Top Overlay "_" at 21628,8014 h142.52